# KiCad board ECUGDI.kicad_pcb
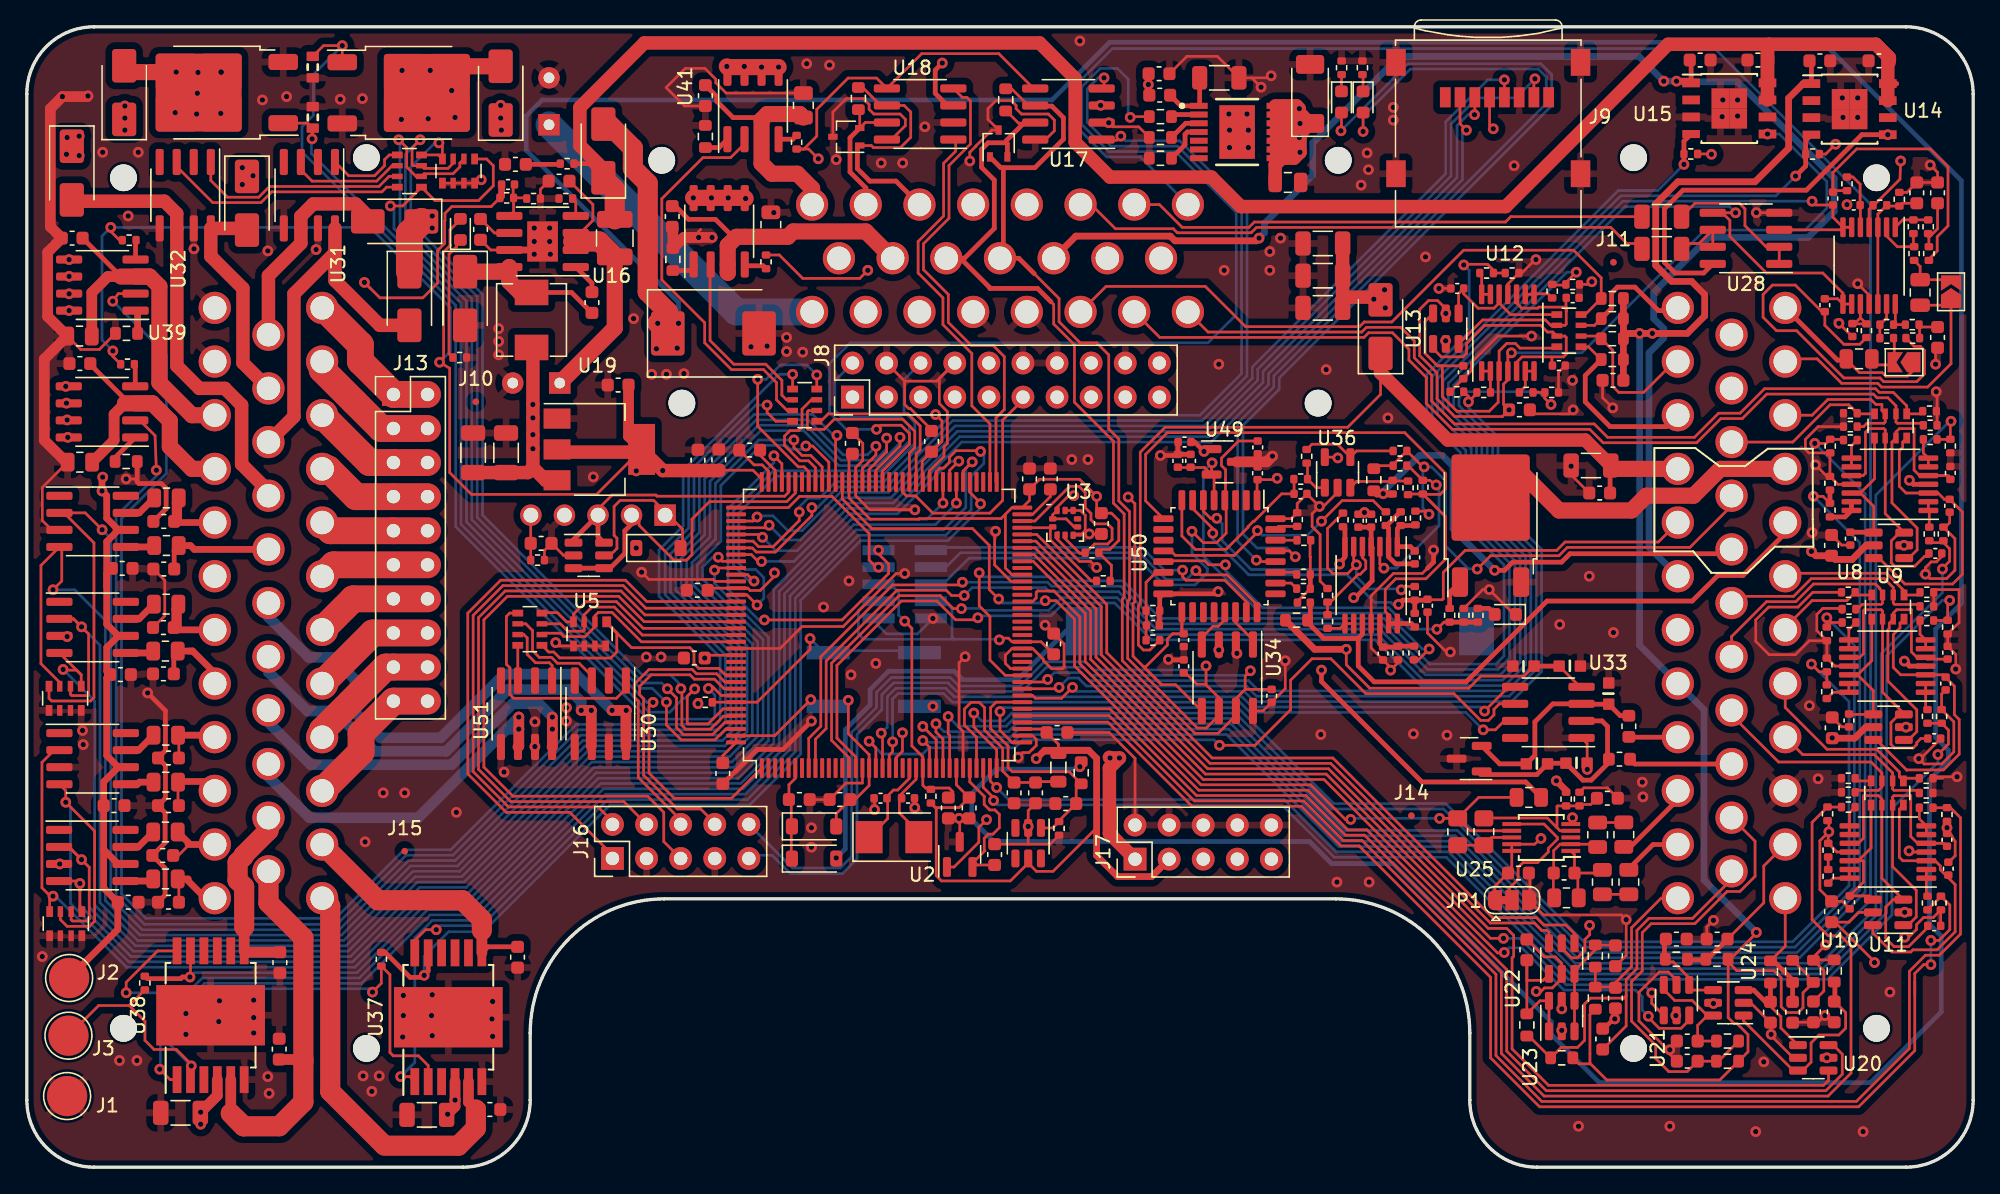
[diagram p0: board, top side]
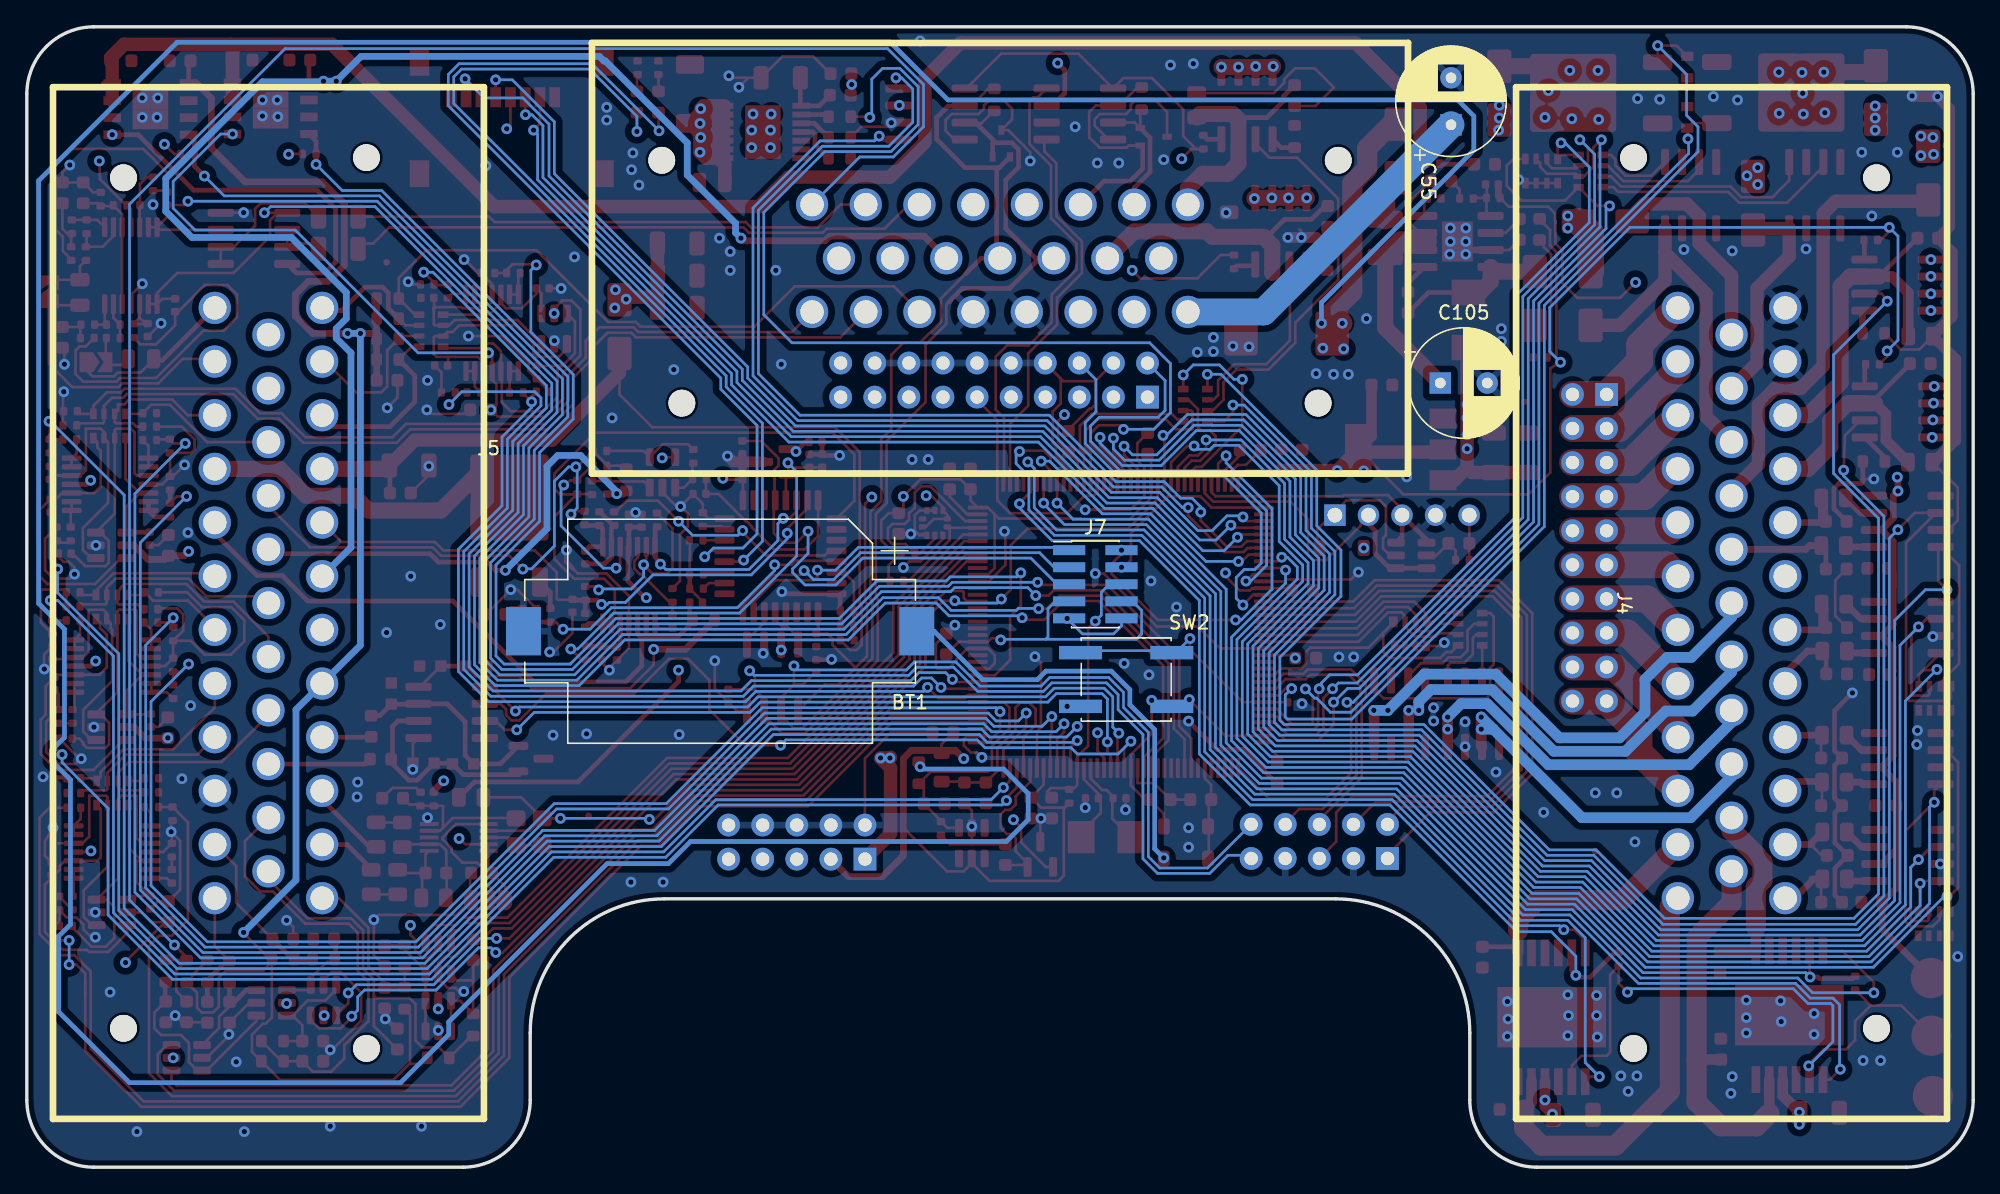
[diagram p1: board, bottom side, seen from below]

Outline 145 x 85 mm; copper layers: Top, In1.GND (plane), In2.PWR (plane), Bottom. Coordinates in mm from the lower left corner of the outline.
Outline path: 0,80 0,5 arc(1.46,1.46) 5,0 32.5,0 arc(36.04,1.46) 37.5,5 37.5,10 arc(40.43,17.07) 47.5,20 97.5,20 arc(104.57,17.07) 107.5,10 107.5,5 arc(108.96,1.46) 112.5,0 140,0 arc(143.54,1.46) 145,5 145,80 arc(143.54,83.54) 140,85 5,85 arc(1.46,83.54) 0,80
Stack: Top 0.035mm / dielectric 0.1mm FR4 er 4.5 / In1.GND 0.035mm / dielectric 1.24mm FR4 er 4.5 / In2.PWR 0.035mm / dielectric 0.1mm FR4 er 4.5 / Bottom 0.035mm

## Placement (name value [footprint] x y rotation side)
BT1  Battery_Cell  [BatteryHolder_Keystone_1060_1x2032]  93.35 39.95 0 bottom
C1  33nF  [C_0603_1608Metric]  84.4 79.91 0 top
C2  100nF  [C_0603_1608Metric]  84.35 81.51 0 top
C3  10nF  [C_0805_2012Metric]  93.95 73.4 180 top
C7  10u  [C_1206_3216Metric]  96.55 68.85 180 top
C8  10u  [C_1206_3216Metric]  96.55 66.45 0 top
C9  10u  [C_1206_3216Metric]  96.55 64.05 180 top
C10  10u  [C_1206_3216Metric]  116.53 52.3 180 top
C11  1u  [C_0603_1608Metric]  117.18 50.25 180 top
C12  10n  [C0603]  115.45 30.11 180 top
C13  100n  [C0603]  112.5 30.06 180 top
C14  10n  [C0603]  117.85 35.3 270 top
C15  47p  [C_0402_1005Metric]  92.74 35.14 90 top
C16  47p  [C_0402_1005Metric]  86.19 37.34 90 top
C17  1u  [C_0402_1005Metric]  101.04 38.29 270 top
C18  100n  [C_0402_1005Metric]  100.15 48.19 90 top
C19  33n  [C_0402_1005Metric]  103.4 45.45 270 top
C20  100n  [C_0402_1005Metric]  99.2 48.19 90 top
C21  1u  [C_0402_1005Metric]  104.35 41.85 270 top
C22  100n  [C_0402_1005Metric]  95.14 42.08 180 top
C23  100n  [C_0402_1005Metric]  94.89 50.19 0 top
C24  1u  [C_0402_1005Metric]  83.89 40.39 0 top
C25  1u  [C_0402_1005Metric]  86.25 54.05 180 top
C26  100n  [C_0402_1005Metric]  91.7 53.65 270 top
C27  1u  [C_0402_1005Metric]  85.75 52.65 90 top
C28  100n  [C_0402_1005Metric]  86.7 52.65 90 top
C29  100n  [C0603]  114.95 37.35 180 top
C30  100n  [C_0402_1005Metric]  86.19 39.29 270 top
C31  100n  [C_0402_1005Metric]  91.69 51.73 90 top
C32  1u  [C0603]  111.5 37.35 0 top
C55  56u  [CP_Radial_D8.0mm_P3.50mm]  38.9 77.7 90 bottom
C56  100n  [C_0603_1608Metric]  51.55 52.73 270 top
C57  100n  [C_0603_1608Metric]  61.5 53.95 270 top
C58  100n  [C_0603_1608Metric]  80.05 47.98 270 top
C59  100n  [C_0603_1608Metric]  67.4 54.1 270 top
C60  4.7u  [C_0603_1608Metric]  74.7 51.3 270 top
C61  4.7u  [C_0603_1608Metric]  49.95 43 0 top
C62  100n  [C_0603_1608Metric]  49.72 37.95 0 top
C63  100n  [C_0603_1608Metric]  51.85 29.35 90 top
C64  100n  [C_0603_1608Metric]  60.58 27.4 0 top
C65  100n  [C_0603_1608Metric]  72.1 23.3 90 top
C66  100n  [C_0603_1608Metric]  76.5 39 270 top
C67  4.7u  [C_0603_1608Metric]  76.75 32.4 180 top
C68  100n  [C_0603_1608Metric]  70.2 26.78 90 top
C69  33p  [C_0402_1005Metric]  63.6 27.5 180 top
C70  33p  [C_0402_1005Metric]  65.65 27.5 0 top
C71  4.7u  [C_0603_1608Metric]  50 52.7 270 top
C72  2.2u  [C_0603_1608Metric]  76.25 51.3 90 top
C73  2.2u  [C_0603_1608Metric]  53.85 53.45 180 top
C74  100n  [C_0603_1608Metric]  68.65 26.78 90 top
C75  4.7u  [C_0603_1608Metric]  57.55 27.4 0 top
C76  100n  [C_0603_1608Metric]  75.15 27.9 270 top
C77  4.7u  [C_0603_1608Metric]  73.55 27.9 270 top
C78  100n  [C_0603_1608Metric]  38.31 46.5 0 top
C79  1u  [C_0603_1608Metric]  77.4 27.1 180 top
C80  100n  [C_0603_1608Metric]  134.5 32.75 90 top
C81  100n  [C_0402_1005Metric]  142.95 36.05 270 top
C82  100n  [C_0402_1005Metric]  143.1 38.35 90 top
C83  100n  [C_0402_1005Metric]  142.1 31.95 0 top
C84  100n  [C_0402_1005Metric]  135.75 33.3 270 top
C85  100n  [C_0603_1608Metric]  134.45 46.35 90 top
C86  100n  [C_0402_1005Metric]  143.25 49.3 270 top
C87  100n  [C_0402_1005Metric]  143.3 51.75 90 top
C88  100n  [C_0402_1005Metric]  142.18 45.75 0 top
C89  100n  [C_0402_1005Metric]  135.85 46.85 270 top
C90  100n  [C_0603_1608Metric]  134.45 19.04 90 top
C91  100n  [C_0402_1005Metric]  143.15 22.25 90 top
C92  100n  [C_0402_1005Metric]  143.05 24.4 90 top
C93  100n  [C_0402_1005Metric]  142.1 17.99 0 top
C94  100n  [C_0402_1005Metric]  135.8 19.74 270 top
C95  100n  [C_0603_1608Metric]  111.2 56.45 0 top
C96  100n  [C_0603_1608Metric]  118.16 58.65 0 top
C97  100n  [C_0402_1005Metric]  107.01 59.25 270 top
C98  100n  [C_0402_1005Metric]  114.14 59.75 0 top
C99  100n  [C_0402_1005Metric]  115.16 64.8 0 top
C100  100n  [C_0402_1005Metric]  106.56 65.5 180 top
C101  1u  [C_0603_1608Metric]  137.98 82.47 180 top
C102  1u  [C_0603_1608Metric]  133.58 82.47 0 top
C103  4.7u  [C_0603_1608Metric]  36.4 74.75 180 top
C104  1u  [C_0603_1608Metric]  128.96 82.53 180 top
C105  56u  [CP_Radial_D8.0mm_P3.50mm]  39.7 58.45 180 bottom
C106  1u  [C_0603_1608Metric]  39.65 73.5 180 top
C107  10n  [C_0603_1608Metric]  33.8 69.9 270 top
C108  1u  [C_0603_1608Metric]  124.66 82.53 0 top
C109  100n  [C_0603_1608Metric]  42.1 64.45 270 top
C110  330p  [C_0402_1005Metric]  35.85 73.25 0 top
C111  10u  [C_1206_3216Metric]  33.25 53.25 90 top
C112  10u  [C_1206_3216Metric]  35.7 53.25 90 top
C113  4.7u  [C_0603_1608Metric]  44.05 58.3 180 top
C114  1n  [C_0603_1608Metric]  131.55 11.55 270 top
C115  1n  [C_0603_1608Metric]  125.93 17 180 top
C116  1n  [C_0603_1608Metric]  123.7 7.9 180 top
C117  1n  [C_0603_1608Metric]  117.4 9.55 90 top
C118  1n  [C_0603_1608Metric]  133.1 11.58 270 top
C119  1n  [C_0603_1608Metric]  118.35 12.6 270 top
C120  1n  [C_0603_1608Metric]  129.9 11.55 270 top
C121  1n  [C_0603_1608Metric]  122.89 17 0 top
C122  1n  [C_0603_1608Metric]  123.7 9.4 180 top
C123  1n  [C_0603_1608Metric]  111.75 16.2 90 top
C124  1n  [C_0603_1608Metric]  134.65 11.58 270 top
C125  1n  [C_0603_1608Metric]  118.35 15.75 270 top
C126  1n  [C_0603_1608Metric]  114.53 21.93 0 top
C128  1u  [C_0603_1608Metric]  117.75 27.5 0 top
C129  100n  [C_0603_1608Metric]  111.12 21.93 0 top
C130  10n  [C_0603_1608Metric]  140.8 72.63 270 top
C131  3.3n  [C_0805_2012Metric]  141.05 65.2 270 top
C132  3.3n  [C_0805_2012Metric]  136.5 60.25 180 top
C133  680p  [C_0603_1608Metric]  142.35 72.63 270 top
C134  680p  [C_0603_1608Metric]  142.35 61.85 90 top
C135  330p  [C_0402_1005Metric]  134.55 72.2 270 top
C136  330p  [C_0402_1005Metric]  133.95 64.25 90 top
C137  47p  [C_0402_1005Metric]  136.1 71.71 0 top
C138  47p  [C_0402_1005Metric]  136 62.4 90 top
C139  10u  [C_1206_3216Metric]  121.8 68.45 0 top
C140  10u  [C_1206_3216Metric]  121.8 70.85 0 top
C141  10u  [C_1206_3216Metric]  29.8 3.9 0 top
C142  10n  [C_0603_1608Metric]  34.5 4.3 180 top
C143  10n  [C_0603_1608Metric]  36.56 15.65 270 top
C144  10u  [C_1206_3216Metric]  11.45 4.05 0 top
C145  10n  [C_0603_1608Metric]  18.8 8.8 270 top
C146  10n  [C_0603_1608Metric]  18.85 15.25 270 top
C147  10n  [C_0603_1608Metric]  3.38 69.25 180 top
C148  10n  [C_0603_1608Metric]  48.08 70.86 270 top
C149  10n  [C_0603_1608Metric]  50.55 79.88 270 top
C150  10n  [C_0603_1608Metric]  3.95 59.9 180 top
C151  100n  [C_0603_1608Metric]  7.1 44.64 180 top
C152  100n  [C_0603_1608Metric]  6.97 36.72 180 top
C153  10n  [C_0603_1608Metric]  10.2 48.14 180 top
C154  10n  [C_0603_1608Metric]  10.2 44.59 180 top
C155  10n  [C_0603_1608Metric]  10.17 40.22 180 top
C156  10n  [C_0603_1608Metric]  10.17 36.77 180 top
C163  100n  [C_0603_1608Metric]  6.5 26.95 180 top
C164  100n  [C_0603_1608Metric]  7.55 19.75 180 top
C165  10n  [C_0603_1608Metric]  10.55 30.5 180 top
C166  10n  [C_0603_1608Metric]  10.55 26.95 180 top
C167  10n  [C_0603_1608Metric]  10.12 23.24 180 top
C168  10n  [C_0603_1608Metric]  10.55 19.75 180 top
D1  D_Schottky  [D_SMA]  35.3 80.06 90 top
D2  D_Schottky  [D_SMA]  100.85 62.65 90 top
D3  RED  [LED_0603_1608Metric]  110.15 41.2 180 top
D4  GREEN  [LED_0603_1608Metric]  97.94 79.4 270 top
D5  BLUE  [LED_0603_1608Metric]  99.55 79.4 270 top
D6  NUP2105L  [SOT-23]  107.45 30.45 180 top
D7  D_Schottky  [D_SMA]  7.25 80.1 90 top
D8  BYG23M  [D_SOD-128]  95.6 80 90 top
D13  D_Schottky  [D_SMA]  27.4 70.5 180 top
D14  D_Schottky  [D_SMA]  3.35 74.1 270 top
D15  D_Schottky  [D_SMA]  28.5 64.75 270 top
D16  D_Schottky  [D_SMA]  16.4 71.85 270 top
D17  schottky  [D_SOD-123]  58.65 23 0 top
D18  schottky  [D_SOD-123]  58.65 25.4 0 top
D19  GREEN  [LED_0603_1608Metric]  32.3 69.9 90 top
D24  schottky  [D_SOD-123]  47.05 46.15 0 top
D26  SM15T33CA  [D_SMC]  51.15 62.15 0 top
D27  D_Schottky  [D_SMA]  42.95 75.75 90 top
D28  D_Schottky  [D_SMA]  32.65 64.75 270 top
D29  PESD1CAN-UX  [SOT-323_SC-70]  72.4 76.31 90 top
D30  PESD1CAN-UX  [SOT-323_SC-70]  61.05 76.81 180 top
FB1  Ferrite_Bead  [L_0805_2012Metric]  76.85 29.8 270 top
J1  Conn_01x01  [TestPoint_Pad_D3.0mm]  3 5.3 0 top
J2  Conn_01x01  [TestPoint_Pad_D3.0mm]  3.15 14.1 0 top
J3  Conn_01x01  [TestPoint_Pad_D3.0mm]  3.1 9.8 0 top
J4  Conn_01x35  [ampseal-35]  18 42.05 270 bottom
J5  Conn_01x35  [ampseal-35-2]  127 42.05 90 bottom
J6  Conn_01x23  [ampseal-23]  72.5 67.75 0 bottom
J7  Conn_02x05_Odd_Even  [PinHeader_2x05_P1.27mm_Vertical_SMD]  65.4 43.45 180 bottom
J8  Conn_02x10_Odd_Even  [PinHeader_2x10_P2.54mm_Vertical]  61.51 57.4 90 top
J9  Micro_SD_Card  [microSD_HC_Wuerth_693072010801]  108.88 78.2 0 top
J10  Conn_01x01  [Fiducial_0.5mm_Mask1.5mm]  33.45 57.05 0 top
J11  Conn_01x01  [Fiducial_0.5mm_Mask1.5mm]  118.2 67.45 0 top
J12  USB_B  [conn_5_2.5mm]  42.55 48.6 180 top
J13  Conn_01x20  [PinHeader_2x10_P2.54mm_Vertical]  27.31 57.6 0 top
J14  Conn_01x01  [Fiducial_0.5mm_Mask1.5mm]  103.15 26.2 0 top
J15  Conn_01x01  [Fiducial_0.5mm_Mask1.5mm]  28.15 23.55 0 top
J16  Conn_01x10  [PinHeader_2x05_P2.54mm_Vertical]  43.63 23.01 90 top
J17  Conn_01x10  [PinHeader_2x05_P2.54mm_Vertical]  82.56 22.96 90 top
JP1  Jumper_3_Bridged12  [SolderJumper-3_P1.3mm_Bridged12_RoundedPad1.0x1.5mm]  110.65 19.9 0 top
JP2  Jumper_NO_Small  [SolderJumper-2_P1.3mm_Open_TrianglePad1.0x1.5mm]  143.35 65.25 90 top
JP3  Jumper_NO_Small  [SolderJumper-2_P1.3mm_Open_TrianglePad1.0x1.5mm]  139.85 60 180 top
L1  470R@100MHz  [L_0603_1608Metric]  119.35 32.86 90 top
L2  470R@100MHz  [L_0603_1608Metric]  118.65 30.41 180 top
L3  2.2uH  [L_1210_3225Metric]  43.8 69.25 270 top
L4  10uH  [MWSA0503]  37.6 63.15 90 top
Q1  BTS3028  [TO-252-2]  109.05 48.65 90 top
Q2  VND14NV04TR-E  [TO-252-2]  28.54 80.08 0 top
Q3  VND14NV04TR-E  [TO-252-2]  14.06 80.1 180 top
R1  4.7k  [R_0603_1608Metric]  84.45 78.31 0 top
R2  4.7k  [R_0603_1608Metric]  84.45 76.76 180 top
R3  10k  [R0603]  21.3 82 90 top
R4  10k  [R0603]  21.3 78.25 270 top
R5  1k  [R_0402_1005Metric]  103.34 38.33 90 top
R6  1k  [R_0402_1005Metric]  102.15 38.33 270 top
R7  68k  [R_0402_1005Metric]  101.25 48.34 270 top
R8  68k  [R_0402_1005Metric]  104 50.69 270 top
R9  10k  [R_0402_1005Metric]  102.35 48.34 90 top
R10  10k  [R_0402_1005Metric]  102.3 52.29 0 top
R11  47  [R_0402_1005Metric]  103.45 48.39 270 top
R12  10  [R_0402_1005Metric]  103.4 40.78 270 top
R13  62k  [R_0603_1608Metric]  94.59 40.78 0 top
R14  61.9  [R_0603_1608Metric]  100.35 51.24 270 top
R15  22k  [R_0402_1005Metric]  95.14 46.73 180 top
R16  6.8k  [R_0402_1005Metric]  95.11 43.13 180 top
R17  47k  [R_0402_1005Metric]  95.11 44.19 180 top
R18  10k  [R_0402_1005Metric]  102.3 53.39 0 top
R19  10k  [R_0402_1005Metric]  101.75 50.69 270 top
R20  100k  [R_0402_1005Metric]  102.9 50.64 270 top
R21  1k  [R_0402_1005Metric]  108.1 41.14 270 top
R22  1k  [R_0402_1005Metric]  107.06 41.14 270 top
R23  100k  [R_0402_1005Metric]  95.35 52.99 90 top
R24  1k  [R_0402_1005Metric]  106 41.14 270 top
R25  3.3k  [R_0402_1005Metric]  94.9 51.29 180 top
R26  10k  [R_0402_1005Metric]  103.4 42.78 90 top
R27  10k  [R_0402_1005Metric]  96.9 40.68 90 top
R28  27k  [R_0402_1005Metric]  96.9 42.63 90 top
R29  27k  [R_0402_1005Metric]  98.05 48.25 270 top
R30  100k  [R_0402_1005Metric]  83.89 39.29 180 top
R31  10k  [R_0402_1005Metric]  83.89 41.49 0 top
R32  10k  [R_0402_1005Metric]  94.64 48.28 270 top
R33  1k  [R_0402_1005Metric]  97.95 81.95 270 top
R34  1k  [R_0402_1005Metric]  99.5 81.95 270 top
R35  1.2k  [R_0603_1608Metric]  84.45 75.21 0 top
R36  47R 1/4W  [R_1206_3216Metric]  88.84 81.2 180 top
R41  1k  [R_0402_1005Metric]  79.35 45.8 180 top
R42  1k  [R_0402_1005Metric]  80.2 43.7 180 top
R43  10k  [R_0402_1005Metric]  67.35 27.65 270 top
R44  10k  [R_0402_1005Metric]  50.55 34.65 180 top
R45  330  [R_0402_1005Metric]  32.25 60.35 180 top
R50  82k  [R_0603_1608Metric]  78.55 29.4 270 top
R51  10k  [R_0402_1005Metric]  76.9 25.25 270 top
R52  100k  [R_0402_1005Metric]  38.05 45.25 0 top
R53  470k  [R_0402_1005Metric]  141.55 42.85 0 top
R54  470k  [R_0402_1005Metric]  141.55 41.8 0 top
R55  470k  [R_0402_1005Metric]  135.75 41.6 180 top
R56  470k  [R_0402_1005Metric]  135.7 42.85 180 top
R57  5.6k  [R_0402_1005Metric]  141.6 33.6 90 top
R58  5.6k  [R_0402_1005Metric]  141.55 40.75 180 top
R59  5.6k  [R_0402_1005Metric]  135.75 40.6 0 top
R60  5.6k  [R_0402_1005Metric]  134.1 35.44 270 top
R61  10k  [R_0402_1005Metric]  142.65 33.6 270 top
R62  10k  [R_0402_1005Metric]  143.1 40.25 90 top
R63  10k  [R_0402_1005Metric]  134.1 39.75 90 top
R64  10k  [R_0402_1005Metric]  134.1 37.44 270 top
R65  470k  [R_0402_1005Metric]  141.75 56.35 0 top
R66  470k  [R_0402_1005Metric]  141.8 55.3 0 top
R67  470k  [R_0402_1005Metric]  135.85 55.2 180 top
R68  470k  [R_0402_1005Metric]  135.85 56.2 180 top
R69  5.6k  [R_0402_1005Metric]  141.73 47.2 90 top
R70  5.6k  [R_0402_1005Metric]  141.8 54.25 180 top
R71  5.6k  [R_0402_1005Metric]  135.85 54.2 0 top
R72  5.6k  [R_0402_1005Metric]  134.33 48.98 270 top
R73  10k  [R_0402_1005Metric]  142.78 47.2 270 top
R74  10k  [R_0402_1005Metric]  143.3 53.75 90 top
R75  10k  [R_0402_1005Metric]  134.35 53.75 90 top
R76  10k  [R_0402_1005Metric]  134.33 50.98 270 top
R77  470k  [R_0402_1005Metric]  141.5 28.99 0 top
R78  470k  [R_0402_1005Metric]  141.5 27.89 0 top
R79  470k  [R_0402_1005Metric]  135.7 27.94 180 top
R80  470k  [R_0402_1005Metric]  135.7 28.99 180 top
R81  5.6k  [R_0402_1005Metric]  141.6 19.69 90 top
R82  5.6k  [R_0402_1005Metric]  141.5 26.79 180 top
R83  5.6k  [R_0402_1005Metric]  135.7 26.84 0 top
R84  5.6k  [R_0402_1005Metric]  134.2 21.68 270 top
R85  10k  [R_0402_1005Metric]  142.6 19.69 90 top
R86  10k  [R_0402_1005Metric]  143.05 26.29 90 top
R87  10k  [R_0402_1005Metric]  134.15 26.34 90 top
R88  10k  [R_0402_1005Metric]  134.2 23.63 270 top
R89  2.7k  [R_0603_1608Metric]  118.11 60.2 180 top
R90  2.7k  [R_0603_1608Metric]  118.11 61.75 180 top
R91  2.7k  [R_0603_1608Metric]  118.11 63.25 180 top
R92  2.7k  [R_0603_1608Metric]  118.11 64.75 180 top
R93  5.6k  [R_0402_1005Metric]  108.54 57.75 0 top
R94  5.6k  [R_0402_1005Metric]  111.7 57.75 180 top
R95  5.6k  [R_0402_1005Metric]  113.64 65.3 270 top
R96  5.6k  [R_0402_1005Metric]  108.75 66.65 180 top
R97  10k  [R_0402_1005Metric]  106.54 57.8 0 top
R98  10k  [R_0402_1005Metric]  113.6 57.75 180 top
R99  10k  [R_0402_1005Metric]  115.16 65.8 180 top
R100  10k  [R_0402_1005Metric]  110.65 66.65 180 top
R101  10k  [R_0402_1005Metric]  133.03 75.52 0 top
R102  1  [R_0402_1005Metric]  40.25 74.8 180 top
R103  10k  [R_0402_1005Metric]  40.15 72.2 180 top
R104  10k  [R_0402_1005Metric]  123.96 75.53 0 top
R105  12k  [R_0402_1005Metric]  37.75 72.2 0 top
R106  68k  [R_0402_1005Metric]  35.75 72.25 180 top
R107  120  [R_0603_1608Metric]  72.93 79.56 90 top
R108  120  [R_0603_1608Metric]  61.95 79.66 90 top
R109  2.7k  [R_0603_1608Metric]  131.55 14.6 270 top
R110  2.7k  [R_0603_1608Metric]  125.91 15.5 180 top
R111  2.7k  [R_0603_1608Metric]  126.7 7.9 180 top
R112  2.7k  [R_0603_1608Metric]  114.35 8.15 180 top
R113  2.7k  [R_0603_1608Metric]  133.1 14.6 90 top
R114  2.7k  [R_0603_1608Metric]  116.85 12.6 90 top
R115  2.7k  [R_0603_1608Metric]  129.9 14.55 90 top
R116  2.7k  [R_0603_1608Metric]  122.89 15.5 0 top
R117  2.7k  [R_0603_1608Metric]  126.7 9.4 0 top
R118  2.7k  [R_0603_1608Metric]  111.75 10.6 270 top
R119  2.7k  [R_0603_1608Metric]  134.65 14.63 90 top
R120  2.7k  [R_0603_1608Metric]  116.85 15.74 270 top
R121  4.7k  [R_0805_2012Metric]  118.97 24.79 270 top
R122  4.7k  [R_0805_2012Metric]  119.35 21.25 90 top
R125  4.7k  [R_0805_2012Metric]  117.03 24.78 90 top
R126  4.7k  [R_0805_2012Metric]  117.38 21.25 270 top
R129  DNP  [R_0805_2012Metric]  114.7 20.08 180 top
R131  1k  [R_0402_1005Metric]  114.68 27.44 270 top
R132  1k  [R_0402_1005Metric]  115.68 27.44 270 top
R133  DNP  [R_0805_2012Metric_Pad1.20x1.40mm_HandSolder]  108.55 25 90 top
R134  DNP  [R_0805_2012Metric_Pad1.20x1.40mm_HandSolder]  106.6 25 270 top
R135  4.7k  [R_0805_2012Metric]  111.9 27.56 180 top
R137  33k  [R_0402_1005Metric]  138.05 71.7 180 top
R138  33k  [R_0402_1005Metric]  139.5 72.15 90 top
R139  100k  [R_0402_1005Metric]  140.6 68.1 270 top
R140  100k  [R_0402_1005Metric]  138.56 61.8 0 top
R141  470k  [R_0402_1005Metric]  140.55 70.1 270 top
R142  470k  [R_0402_1005Metric]  138.56 62.8 180 top
R143  12k  [R_0402_1005Metric]  141.65 70.1 90 top
R144  12k  [R_0402_1005Metric]  140.46 62.8 180 top
R145  100k  [R_0402_1005Metric]  141.7 68.1 90 top
R146  100k  [R_0402_1005Metric]  140.5 61.8 0 top
R147  33k  [R_0402_1005Metric]  135.6 73.3 270 top
R148  33k  [R_0402_1005Metric]  137.05 62.35 270 top
R149  10k  [R_0402_1005Metric]  26.41 15.5 270 top
R150  10k  [R_0402_1005Metric]  8.79 13.73 270 top
R151  10k  [R_0402_1005Metric]  7.62 69.1 180 top
R152  120  [R_0603_1608Metric]  7.42 62.15 180 top
R153  4.7k  [R_0805_2012Metric]  3.92 61.95 180 top
R154  10k  [R_0402_1005Metric]  55.07 67.48 90 top
R155  120  [R_0603_1608Metric]  48.13 67.66 90 top
R156  4.7k  [R_0805_2012Metric]  55.43 70.26 90 top
R157  10k  [R_0402_1005Metric]  57.35 76.4 270 top
R158  120  [R_0603_1608Metric]  50.55 76.83 90 top
R159  4.7k  [R_0805_2012Metric]  57.85 79.15 90 top
R160  10k  [R_0402_1005Metric]  7.5 59.85 180 top
R161  120  [R_0603_1608Metric]  7.4 52.6 0 top
R162  4.7k  [R_0805_2012Metric]  3.95 52.55 180 top
R163  100  [R_0805_2012Metric]  10.4 49.89 180 top
R164  100  [R_0805_2012Metric]  10.4 46.34 180 top
R165  100  [R_0805_2012Metric]  10.38 41.97 180 top
R166  100  [R_0805_2012Metric]  10.33 38.47 180 top
R171  100  [R_0805_2012Metric]  10.35 32.2 180 top
R172  100  [R_0805_2012Metric]  10.35 28.7 180 top
R173  100  [R_0805_2012Metric]  10.33 24.99 180 top
R174  100  [R_0805_2012Metric]  10.33 21.49 180 top
RN1  10k  [R_Array_Convex_4x0603]  138.65 41.75 270 top
RN2  10k  [R_Array_Convex_4x0603]  138.85 55.25 270 top
RN3  10k  [R_Array_Convex_4x0603]  138.6 27.89 270 top
RN4  10k  [R_Array_Convex_4x0603]  114.89 62.35 180 top
RN5  1k  [R_Array_Convex_4x0603]  41.92 39.75 90 top
RN6  1k  [R_Array_Convex_4x0603]  37.47 40.1 180 top
RN7  1k  [R_Array_Convex_4x0603]  32.16 74.25 90 top
RN8  1k  [R_Array_Convex_4x0603]  28.5 74.25 180 top
RN13  10k  [R_Array_Convex_4x0603]  57.95 56.8 180 top
RN14  1k  [R_Array_Convex_4x0603]  2.85 34.95 90 top
RN16  1k  [R_Array_Convex_4x0603]  2.9 18.15 90 top
SW2  SW_Push  [SW_SPST_EVQQ2]  63.1 36.35 180 bottom
U1  BTS7002-1EPP  [BTS7002-1]  88.95 77.7 0 top
U2  REF3333  [SOT-23]  69.5 23.31 90 top
U3  LPS25HB  [ST_HLGA-10_2.5x2.5mm_P0.6mm_LayoutBorder3x2y]  77.35 48.03 0 top
U4  STM32F427ZGTx  [LQFP-144_20x20mm_P0.5mm]  63.5 40.41 90 top
U5  USBLC6-2SC6  [SOT-23-6]  41.86 45.6 0 top
U6  MCP6004  [TSSOP-14_4.4x5mm_P0.65mm]  138.6 37.35 180 top
U7  SRV05-4  [SOT-23-6]  138.7 32.8 180 top
U8  MCP6004  [TSSOP-14_4.4x5mm_P0.65mm]  138.8 50.9 180 top
U9  SRV05-4  [SOT-23-6]  138.73 46.35 180 top
U10  MCP6004  [TSSOP-14_4.4x5mm_P0.65mm]  138.65 23.49 180 top
U11  SRV05-4  [SOT-23-6]  138.66 18.99 180 top
U12  MCP6004  [TSSOP-14_4.4x5mm_P0.65mm]  110.34 62.2 90 top
U13  SRV05-4  [SOT-23-6]  105.71 62.5 90 top
U14  TLS115  [Infineon_PG-DSO-8-43]  135.79 78.87 0 top
U15  TLS115  [Infineon_PG-DSO-8-43]  126.83 78.92 0 top
U16  LMR14020  [SOIC-8-1EP_3.9x4.9mm_P1.27mm_EP2.29x3mm]  38.42 69 180 top
U17  TJA1051T-3  [SOIC-8_3.9x4.9mm_P1.27mm]  77.6 78.5 180 top
U18  TJA1051T-3  [SOIC-8_3.9x4.9mm_P1.27mm]  66.55 78.51 180 top
U19  AMS1117-3.3  [SOT-223-3_TabPin2]  42.65 53.5 0 top
U20  SN74LVC2G17DB  [SOT-23-6]  133.09 8.15 0 top
U21  SN74LVC2G17DB  [SOT-23-6]  122.9 12.45 270 top
U22  SN74LVC2G17DB  [SOT-23-6]  114.35 15.55 90 top
U23  SRV05-4  [SOT-23-6]  114.35 11.26 90 top
U24  SRV05-4  [SOT-23-6]  126.76 12.25 180 top
U25  MAX9924  [MSOP-10_3x3mm_P0.5mm]  112.82 24.58 180 top
U26  SRV05-4  [SOT-23-6]  74.6 24.15 270 top
U27  MCP6004  [TSSOP-14_4.4x5mm_P0.65mm]  137.25 67.2 270 top
U28  MCP6002-xSN  [SOIC-8_3.9x4.9mm_P1.27mm]  128.07 69.24 180 top